# Altium PCB BusAdaptor_final.PcbDoc (part 2 of 2)
Units mm, origin at the board's own origin, x right, y up, seen from the top; angles counter-clockwise.
Board outline 50.93 x 30 mm, 4 copper layers (Top Layer, GND, POWER, Bottom Layer), stack 0.603 mm thick; 145 components, 102 nets, 555 pads, 359 vias.
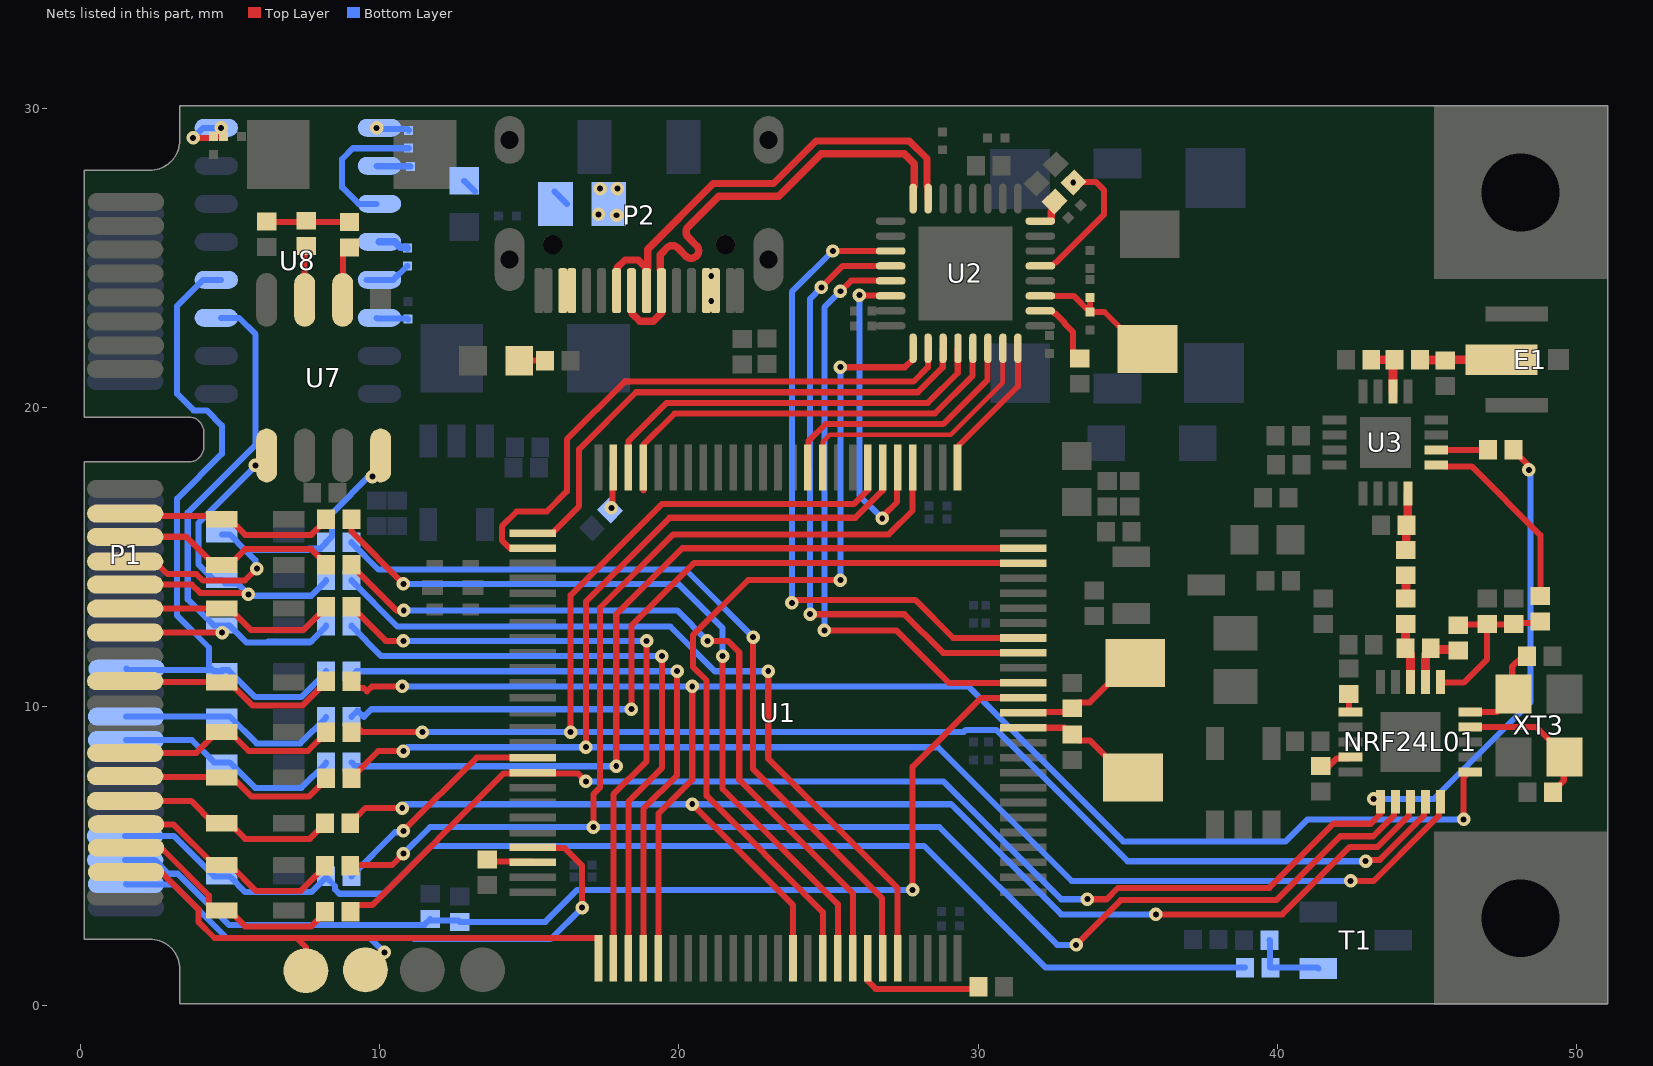
[diagram p4: the nets of this part, all layers, seen from the top]

## Via types
v1: diameter 0.45, hole 0.2, Top Layer to Bottom Layer, tented both sides, 359 vias

## Nets (pads, with @x,y where several pads share a name; then routed paths per layer and width w, separated by ;. In a path a pad name is that pad's centre, name@x,y a point inside that pad or via, vN(x,y) a via of type N, cw(c..) or ccw(c..) an arc to the next point about the centre after c; other vN are vias at no path point) (continued)
NetC13_2: C13.2 U2.26 | length 2.4
  Top Layer w0.203: U2.26@32.079,23.221 32.467,23.221 32.553,23.135 32.583,23.135 32.89,22.828 32.89,22.793 33.178,22.505 33.178,21.832 33.376,21.634 C13.2@33.401,21.634
NetC14_2: C14.2 U2.29 | length 4.8
  Top Layer w0.203: U2.29@32.079,24.721 32.467,24.721 32.588,24.842 32.611,24.842 34.215,26.446 34.215,27.249 33.935,27.53 33.211,27.53 C14.2@33.194,27.512
  other v1: 33.181,27.508
NetC15_2: C15.2 R18.1 U2.27 XT1.1 | length 4.8
  Top Layer w0.203: U2.27@32.079,23.721 33.195,23.721 C15.2@33.734,23.182 ; R18.1@33.736,23.661 R18.1@33.736,23.661 33.735,23.184 C15.2@33.734,23.182 ; XT1.1@35.662,21.946 35.462,21.946 34.225,23.182 C15.2@33.734,23.182
NetC16_2: C16.2 U1.73 | length 1.6
  Top Layer w0.203: C16.2@13.589,4.888 13.664,4.812 15.088,4.812 U1.73@15.113,4.787
NetC17_2: C17.2 U1.49 | length 1.4
  Top Layer w0.203: v1(17.742,16.638) 17.788,16.684 17.788,17.962 U1.49@17.813,17.987
NetC18_1: C18.1 NRF24L01.19 | length 1.1
  Top Layer w0.203: C18.1@41.446,8.001 41.729,8.001 41.993,8.265 42.402,8.265 NRF24L01.19@42.451,8.314
NetC37_2: C37.2 U1.13 XT2.1 | length 4.4
  Top Layer w0.203: U1.13@31.513,9.787 31.538,9.812 33.021,9.812 33.345,10.137 33.736,10.137 35.055,11.455 XT2.1@35.255,11.455
NetC38_2: C38.2 U1.12 XT2.2 | length 4.4
  Top Layer w0.203: U1.12@31.513,9.287 32.896,9.287 33.122,9.061 C38.2@33.147,9.061 33.345,8.863 33.736,8.863 34.979,7.62 XT2.2@35.179,7.62
NetC39_1: C39.1 C43.2 U3.4 | length 1.9
  Top Layer w0.293: C39.1@44.298,15.233 44.311,15.246 44.311,16.04 C43.2@44.324,16.053 44.359,16.088 44.359,17.118 U3.4@44.362,17.121
NetC39_2: C39.2 L4.2 | length 0.8
  Top Layer w0.293: L4.2@44.298,13.601 C39.2@44.298,14.383
NetC41_2: C41.2 L3.1 U3.10 | length 1.9
  Top Layer w0.293: C41.2@43.141,21.59 L3.1@43.917,21.59 43.866,21.538 43.866,20.525 U3.10@43.862,20.521
NetC42_2: C42.2 E1.1 L3.2 | length 2.8
  Top Layer w0.293: L3.2@44.767,21.59 44.783,21.574 45.603,21.574 C42.2@45.619,21.558 45.651,21.59 E1.1@47.498,21.59
NetC44_2: C44.2 C45.2 L6.2 NRF24L01.11 R27.2 | length 5.9
  Top Layer w0.203: NRF24L01.11@45.451,10.814 45.469,10.795 46.228,10.795 47.016,11.583 C45.2@47.016,12.731 ; L6.2@46.05,12.712 46.07,12.731 C45.2@47.016,12.731 ; C45.2@47.016,12.751 C45.2@47.016,12.731 ; R27.2@48.794,12.834 48.753,12.792 47.947,12.792 C44.2@47.905,12.751 47.886,12.731 C45.2@47.016,12.731
NetC50_2: C50.2 NRF24L01.9 XT3.1 | length 4.9
  Top Layer w0.203: NRF24L01.9@46.451,9.314 48.646,9.314 49.594,8.366 XT3.1@49.594,8.316 49.575,8.296 49.575,7.518 49.219,7.162 C50.2@49.219,7.137
NetC51_2: C51.2 NRF24L01.10 XT3.3 | length 3.6
  Top Layer w0.203: NRF24L01.10@46.451,9.814 47.342,9.814 47.894,10.366 XT3.3@47.894,10.416 47.65,10.66 47.93,10.939 47.879,10.939 47.854,10.964 47.854,11.336 48.162,11.645 48.343,11.645 C51.2@48.343,11.67
NetC55_1: C55.1 R30.1 U8.16 | length 2.1
  Top Layer w0.203: v1(3.768,29.002) 4.399,29.002 C55.1@4.445,29.048 R30.1@4.78,29.048
  Bottom Layer w0.203: v1(3.768,29.002) 3.768,29.004 4.101,29.337 v1(4.699,29.337)
NetC56_1: C56.1 U8.2 | length 1.1
  Bottom Layer w0.203: U8.2@9.899,28.067 9.912,28.054 11.016,28.054 C56.1@11.028,28.042
NetC58_2: C58.2 R31.1 R32.1 | length 2.8
  Top Layer w0.203: C58.2@6.223,26.206 6.232,26.197 7.544,26.197 8.982,26.197 R32.1@8.992,26.187
NetC59_1: C59.1 U8.6 | length 1.1
  Bottom Layer w0.203: U8.6@9.899,22.987 9.922,22.964 10.924,22.964 C59.1@10.947,22.941
NetC60_1: C60.1 U8.3 | length 4.7
  Bottom Layer w0.203: U8.3@9.899,26.797 9.299,26.797 8.745,27.351 8.745,28.296 9.105,28.656 C60.1@10.971,28.656
NetC60_2: C60.2 U8.1 | length 1.1
  Bottom Layer w0.203: v1(9.899,29.337) 9.94,29.296 10.93,29.296 C60.2@10.971,29.256
NetC61_1: C61.1 U8.5 | length 1.6
  Bottom Layer w0.203: U8.5@9.565,24.258 U8.5@9.99,24.258 ; U8.5@9.899,24.257 10.46,24.257 C61.1@10.922,24.719
NetC61_2: C61.2 U8.4 | length 1
  Bottom Layer w0.254: U8.4@9.99,25.528 10.509,25.528 10.695,25.342 10.899,25.342 C61.2@10.922,25.319
NetD20_1: D20.1 R29.2 | length 0.9
  Top Layer w0.203: D20.1@14.664,21.555 R29.2@15.533,21.555
NetF1_1: F1.1 L1.2 | length 1.1
  Bottom Layer w0.203: L1.2@12.827,27.567 L1.2@13.19,27.204 ; F1.1@15.848,27.204 F1.1@16.255,26.797
NetF1_2: F1.2 P2.A4 P2.A9 P2.B4 P2.B9 | length 0.6
  Top Layer w0.203: P2.A4@21.219,23.896 P2.A4@21.219,24.496
  other v1: 21.082,23.546 21.082,24.384 17.919,26.416 17.313,26.446 17.37,27.305 17.946,27.305
NetL4_1: L4.1 L5.2 NRF24L01.13 | length 2
  Top Layer w0.293: L5.2@44.279,11.938 44.289,11.948 44.289,12.741 L4.1@44.298,12.751 ; L5.2@44.305,11.887 44.451,11.742 NRF24L01.13@44.451,10.814
NetL5_1: L5.1 L6.1 NRF24L01.12 | length 2.2
  Top Layer w0.293: NRF24L01.12@44.951,10.814 44.951,11.735 45.129,11.913 L5.1@45.129,11.938 45.167,11.9 46.012,11.9 L6.1@46.05,11.862
NetNRF24L01_16: NRF24L01.16 R21.1 | length 0.6
  Top Layer w0.203: R21.1@42.393,10.421 42.402,10.411 42.402,9.862 NRF24L01.16@42.451,9.814
NetR20_2: R20.2 U2.32 | length 0.7
  Top Layer w0.254: U2.32@32.452,26.223 32.452,26.526 32.559,26.633 R20.2@32.559,26.877
NetR23_2: R23.2 R25.1 T1.1 | length 2.5
  Bottom Layer w0.203: R25.1@39.744,2.184 39.757,2.172 39.757,1.283 R23.2@39.77,1.27 41.336,1.27 T1.1@41.371,1.234
NetR24_2: R24.2 U1.94 | length 4.6
  Top Layer w0.203: U1.94@26.313,1.587 26.313,0.826 26.581,0.558 29.94,0.558 R24.2@30.017,0.635
NetR27_1: R27.1 U3.5 | length 6.5
  Top Layer w0.203: U3.5@45.312,18.071 45.562,18.071 45.611,18.023 46.493,18.023 48.794,15.722 R27.1@48.794,13.684
NetR28_2: R28.2 U3.6 | length 1.7
  Top Layer w0.203: U3.6@45.312,18.571 R28.2@47.049,18.571
NetR31_2: R31.2 U7.7 | length 1.8
  Top Layer w0.203: U7.7@7.493,23.589 7.493,25.331 R31.2@7.544,25.381
NetR32_2: R32.2 U7.6 | length 1.9
  Top Layer w0.203: U7.6@8.763,23.589 8.768,23.594 8.768,25.139 8.967,25.337 R32.2@8.992,25.337
NRST: C40.2 P1.48 R26.2 U1.14 | length 36.5
  Top Layer w0.203: v1(27.813,3.872) 27.813,7.988 30.112,10.287 U1.14@31.513,10.287
  Bottom Layer w0.203: P1.48@1.495,4.87 2.476,4.87 2.939,4.406 3.251,4.406 4.961,2.696 11.491,2.696 R26.2@11.684,2.889 11.728,2.845 12.638,2.845 C40.2@12.682,2.801 15.533,2.801 16.593,3.861 v1@27.813,3.861
P0: D2.2 P1.19 R1.1 | length 7.2
  Top Layer w0.203: P1.19@1.495,16.445 1.571,16.369 4.612,16.369 D2.2@4.724,16.256 4.984,16.256 5.508,15.732 7.712,15.732 8.211,16.231 R1.1@8.211,16.256
P1: D3.2 P1.21 R2.1 | length 7.6
  Top Layer w0.203: P1.21@1.495,15.67 3.533,15.67 4.422,14.781 4.676,14.781 D3.2@4.724,14.732 4.984,14.732 5.508,15.256 7.712,15.256 8.211,14.757 R2.1@8.211,14.732
P2: D4.2 P1.23 R3.1 U7.4 | length 12.4
  Top Layer w0.203: P1.23@1.495,14.845 2.486,14.845 2.906,14.425 3.872,14.425 4.089,14.208 5.496,14.208 v1(5.893,14.605)
  Bottom Layer w0.203: D4.2@4.724,15.748 4.984,15.748 5.508,15.224 ; v1(5.893,14.605) 5.846,14.652 5.846,14.887 5.508,15.224 ; v1(9.754,17.678) 9.69,17.742 8.409,16.461 8.409,15.692 R3.1@8.211,15.494 8.211,15.469 8.013,15.271 7.641,15.271 7.595,15.224 5.508,15.224
P3: D5.2 P1.25 R4.1 U7.1 | length 13
  Top Layer w0.203: P1.25@1.495,14.07 3.725,14.07 4.001,13.794 5.36,13.794
  Bottom Layer w0.203: v1@5.613,13.7 7.712,13.7 8.211,14.199 R4.1@8.211,14.224 ; v1(5.613,13.741) 5.239,14.116 4.832,14.116 D5.2@4.724,14.224 4.464,14.224 3.94,14.748 3.94,16.123 5.842,18.025 v1(5.842,18.059)
P4: D6.2 P1.27 R5.1 | length 7.4
  Top Layer w0.203: P1.27@1.495,13.27 D6.2@4.724,13.27 4.984,13.27 5.347,12.907 5.44,12.814 5.706,12.548 7.449,12.548 8.211,13.31 R5.1@8.211,13.335
P5: D7.2 P1.29 R6.1 U8.11 | length 21.3
  Top Layer w0.203: P1.29@1.495,12.47 v1(4.731,12.47)
  Bottom Layer w0.203: U8.11@4.699,22.987 5.299,22.987 5.853,22.433 5.853,18.748 3.585,16.48 3.585,13.58 4.464,12.7 D7.2@4.724,12.7 4.984,12.7 5.543,12.141 6.27,12.141 7.677,12.141 7.712,12.176 ; 6.27,12.176 7.712,12.176 ; R6.1@8.211,12.7 8.211,12.675 7.712,12.176
P6: D8.2 P1.32 R8.1 U8.12 | length 23.4
  Bottom Layer w0.203: P1.32@1.537,11.26 1.579,11.218 D8.2@4.423,11.218 ; U8.12@4.699,24.257 4.099,24.257 3.229,23.387 3.229,20.447 3.783,19.893 4.215,19.893 4.724,19.383 4.724,18.44 3.229,16.945 3.229,13.036 4.296,11.969 4.296,11.344 D8.2@4.423,11.218 ; D8.2@4.724,11.176 4.464,11.176 D8.2@4.423,11.218 ; D8.2@4.724,11.218 4.943,11.218 5.848,10.312 7.372,10.312 8.211,11.151 R8.1@8.211,11.176
P7: D9.2 P1.33 R7.1 | length 7.4
  Top Layer w0.203: P1.33@1.495,10.845 1.519,10.82 4.7,10.82 D9.2@4.724,10.795 4.984,10.795 5.746,10.033 7.424,10.033 8.211,10.82 R7.1@8.211,10.845
P8: D17.2 P1.36 R11.1 | length 7.4
  Bottom Layer w0.203: P1.36@1.524,9.663 D17.2@4.724,9.663 4.984,9.663 5.884,8.763 7.347,8.763 8.211,9.627 R11.1@8.211,9.652
P9: D16.2 P1.38 R10.1 | length 7.7
  Bottom Layer w0.203: P1.38@1.524,8.877 3.722,8.877 4.47,8.128 D16.2@4.724,8.128 4.984,8.128 5.836,7.277 7.385,7.277 8.211,8.103 R10.1@8.211,8.128
P10: D15.2 P1.39 R12.1 | length 7.5
  Top Layer w0.203: P1.39@1.495,8.445 3.873,8.445 4.572,9.144 D15.2@4.724,9.144 4.984,9.144 5.619,8.509 7.601,8.509 8.211,9.119 R12.1@8.211,9.144
P11: D14.2 P1.41 R13.1 | length 7.2
  Top Layer w0.203: P1.41@1.495,7.67 1.519,7.645 4.7,7.645 D14.2@4.724,7.62 ; D14.2@4.826,7.62 5.086,7.62 5.721,6.985 7.625,6.985 8.211,7.571 R13.1@8.211,7.596
P12: D13.2 P1.43 R14.1 | length 7.4
  Top Layer w0.203: P1.43@1.495,6.845 3.696,6.845 4.445,6.096 D13.2@4.724,6.096 4.984,6.096 5.508,5.572 7.668,5.572 8.167,6.071 R14.1@8.167,6.096
P13: D12.2 P1.45 R15.1 | length 7.9
  Top Layer w0.203: P1.45@1.524,6.063 1.527,6.06 3.104,6.06 4.464,4.699 D12.2@4.724,4.699 5.003,4.699 5.876,3.826 7.347,3.826 8.167,4.646 R15.1@8.167,4.671
P14: D11.2 P1.47 R17.1 | length 8.1
  Top Layer w0.203: P1.47@1.524,5.277 2.458,5.277 2.534,5.201 2.774,5.201 4.296,3.679 4.296,3.343 4.464,3.175 D11.2@4.724,3.175 4.984,3.175 5.508,2.651 7.714,2.651 8.172,3.109 R17.1@8.172,3.134
P15: D10.2 P1.46 R19.1 R23.1 | length 41.1
  Bottom Layer w0.203: P1.46@1.486,5.672 3.111,5.672 4.464,4.318 D10.2@4.724,4.318 4.984,4.318 5.508,3.794 7.712,3.794 R19.1@8.211,4.293 ; R19.1@8.211,4.318 R19.1@8.211,4.293 ; R23.1@38.92,1.27 32.258,1.27 28.194,5.334 11.726,5.334 10.131,3.739 8.656,3.739 8.507,3.888 8.507,3.997 R19.1@8.211,4.293
PA0: R11.2 U1.23 | length 26.4
  Top Layer w0.203: v1(18.415,9.906) 18.415,12.7 20.502,14.787 U1.23@31.513,14.787
  Bottom Layer w0.203: R11.2@9.061,9.652 9.061,9.664 9.259,9.862 9.47,9.652 9.724,9.906 v1(18.415,9.906)
PA1: R10.2 U1.24 | length 28.5
  Top Layer w0.203: v1(17.907,8.001) 17.907,13.081 20.113,15.287 U1.24@31.513,15.287
  Bottom Layer w0.203: R10.2@9.061,8.128 9.188,8.001 v1(17.907,8.001)
PA4: NRF24L01.2 R15.2 U1.29 | length 60
  Top Layer w0.203: R15.2@9.017,4.671 9.017,4.696 10.411,4.696 v1(10.795,5.08) ; v1(17.145,5.969) 17.145,7.07 17.37,7.295 17.37,13.306 19.812,15.748 27.014,15.748 27.813,16.547 U1.29@27.813,17.987 ; v1(33.274,2.032) 34.769,3.527 39.97,3.527 42.104,5.661 43.207,5.661 43.902,6.356 43.902,6.765 NRF24L01.2@43.951,6.814
  Bottom Layer w0.203: v1(10.795,5.08) 11.684,5.969 v1(17.145,5.969) 28.702,5.969 32.639,2.032 v1(33.274,2.032)
PA6: NRF24L01.5 R13.2 U1.31 | length 57.1
  Top Layer w0.203: R13.2@9.061,7.596 9.061,7.621 9.949,8.509 v1(10.795,8.509) ; v1(16.891,8.636) 16.891,13.505 19.693,16.307 25.897,16.307 26.813,17.223 U1.31@26.813,17.987 ; v1(42.451,4.166) 43.22,4.166 44.969,5.914 44.969,5.916 45.402,6.349 45.402,6.765 NRF24L01.5@45.451,6.814
  Bottom Layer w0.203: v1(10.795,8.509) 10.922,8.636 v1(16.891,8.636) 28.66,8.636 33.13,4.166 v1(42.451,4.166)
PA7: NRF24L01.4 R12.2 U1.32 | length 55.6
  Top Layer w0.203: R12.2@9.061,9.144 9.271,9.287 9.414,9.144 v1(11.43,9.144) ; v1(16.383,9.144) 16.383,13.716 19.431,16.764 25.851,16.764 26.313,17.226 U1.32@26.313,17.339 ; U1.32@26.311,17.337 U1.32@26.313,17.339 ; U1.32@26.313,17.987 U1.32@26.313,17.339 ; v1(42.951,4.826) 42.999,4.873 43.425,4.873 44.613,6.062 44.613,6.064 44.902,6.352 44.902,6.765 NRF24L01.4@44.951,6.814
  Bottom Layer w0.203: v1(11.43,9.144) v1(16.383,9.144) 29.521,9.144 29.59,9.213 30.608,9.213 34.995,4.826 v1(42.951,4.826)
PA8: NRF24L01.1 R17.2 R28.1 U1.67 | length 54.9
  Top Layer w0.203: R17.2@9.022,3.134 9.022,3.159 9.22,3.357 9.749,3.357 14.154,7.762 15.088,7.762 U1.67@15.113,7.787 15.138,7.762 16.622,7.762 v1(16.891,7.493) ; v1(33.655,3.556) 34.295,3.556 34.676,3.937 39.734,3.937 41.875,6.078 43.121,6.078 43.451,6.407 NRF24L01.1@43.451,6.814 ; R28.1@47.899,18.571 47.899,18.546 48.365,18.081 48.365,17.954 v1(48.412,17.907)
  Bottom Layer w0.203: v1(16.891,7.493) 28.837,7.493 32.774,3.556 v1(33.655,3.556) ; v1(43.22,6.909) 45.237,6.909 48.463,10.135 v1@48.463,17.907
PA15: R5.2 U1.77 | length 21.4
  Top Layer w0.203: R5.2@9.061,13.335 10.204,12.192 v1(10.795,12.192) ; U1.77@17.813,1.587 17.813,7.064 18.923,8.174 v1(18.923,12.192)
  Bottom Layer w0.203: v1(10.795,12.192) v1(18.923,12.192)
PB3: NRF24L01.3 R14.2 U1.89 | length 45.2
  Top Layer w0.203: v1(10.755,6.604) 9.525,6.604 R14.2@9.24,6.319 ; v1(20.447,6.731) 23.813,3.365 U1.89@23.813,2.235 ; v1(35.941,3.048) 40.169,3.048 42.426,5.305 43.354,5.305 44.258,6.209 44.258,6.211 44.402,6.355 44.402,6.765 NRF24L01.3@44.451,6.814 ; R14.2@9.24,6.319 9.215,6.319 9.017,6.121 R14.2@9.017,6.096 R14.2@9.24,6.319
  Bottom Layer w0.203: v1(10.755,6.604) 10.882,6.731 v1(20.447,6.731) 29.096,6.731 32.779,3.048 v1(35.941,3.048)
PB6: R1.2 U1.92 | length 26.8
  Top Layer w0.203: R1.2@9.061,16.256 9.061,15.831 v1(10.795,14.097) ; v1(21.463,11.684) 21.463,7.239 25.313,3.389 U1.92@25.313,1.587
  Bottom Layer w0.203: v1(10.795,14.097) 19.981,14.097 21.463,12.615 v1(21.463,11.684)
PB7: R2.2 U1.93 | length 26
  Top Layer w0.203: R2.2@9.061,14.732 9.061,14.707 10.56,13.208 v1(10.805,13.208) ; v1(20.955,12.192) 21.632,12.192 22.019,11.805 22.019,7.542 25.813,3.748 U1.93@25.813,1.587
  Bottom Layer w0.203: v1(10.805,13.208) 19.939,13.208 v1(20.955,12.192)
PB8: R3.2 U1.95 | length 27.3
  Top Layer w0.203: v1(22.479,12.319) 22.479,7.906 26.788,3.598 26.788,1.612 U1.95@26.813,1.587
  Bottom Layer w0.203: R3.2@9.061,15.494 9.061,15.469 9.954,14.576 20.222,14.576 v1(22.479,12.319)
PB9: R4.2 U1.96 | length 26.6
  Top Layer w0.203: v1(22.987,11.176) 22.987,8.255 27.313,3.929 U1.96@27.313,1.587
  Bottom Layer w0.203: R4.2@9.061,14.224 9.061,14.199 10.589,12.671 19.71,12.671 21.205,11.176 v1(22.987,11.176)
PC9: R19.2 U1.66 | length 7.7
  Top Layer w0.203: v1(10.795,5.842) 13.24,8.287 U1.66@15.113,8.287
  Bottom Layer w0.203: R19.2@9.061,4.318 9.061,4.343 10.513,5.795 10.748,5.795 v1(10.795,5.842)
PC10: R6.2 U1.78 | length 21.4
  Top Layer w0.203: U1.78@18.313,1.587 18.32,1.594 18.32,6.827 19.431,7.938 v1(19.431,11.684)
  Bottom Layer w0.203: R6.2@9.061,12.7 9.061,12.675 10.052,11.684 v1(19.431,11.684)
PC11: R8.2 U1.79 | length 21
  Top Layer w0.203: U1.79@18.813,1.587 18.813,6.572 19.939,7.698 v1(19.939,11.176)
  Bottom Layer w0.203: R8.2@9.061,11.009 9.228,11.176 v1(19.939,11.176)
PC12: NRF24L01.6 R7.2 U1.80 | length 51.1
  Top Layer w0.203: R7.2@9.061,10.845 9.061,10.82 9.259,10.621 9.453,10.621 9.576,10.498 9.746,10.668 v1(10.755,10.668) ; U1.80@19.313,1.587 19.313,6.415 20.447,7.549 v1(20.447,10.668) ; v1(46.228,6.223) 46.228,7.638 46.403,7.814 NRF24L01.6@46.451,7.814
  Bottom Layer w0.203: v1(10.755,10.668) v1(20.447,10.668) 29.667,10.668 34.848,5.487 40.276,5.487 41.012,6.223 v1(46.228,6.223)
SWCLK: H6.1 P1.49 U1.76 | length 18.8
  Top Layer w0.203: P1.49@1.524,4.463 2.699,4.463 3.94,3.222 3.94,2.8 4.48,2.26 7.22,2.26 ; H6.1@7.537,1.168 7.537,1.944 7.22,2.26 ; U1.76@17.313,1.587 17.313,2.235 17.288,2.26 7.22,2.26
SWDIO: H3.1 P1.50 U1.72 | length 20.4
  Top Layer w0.203: U1.72@15.113,5.287 15.138,5.262 16.184,5.262 16.764,4.682 v1(16.764,3.277)
  Bottom Layer w0.203: P1.50@1.524,4.063 1.536,4.051 3.104,4.051 4.897,2.257 9.681,2.257 ; v1(10.16,1.778) 9.681,2.257 ; v1(16.764,3.277) 15.709,2.221 11.156,2.221 11.12,2.257 9.681,2.257
USB_CLK: U1.30 U2.14 | length 10.8
  Top Layer w0.203: v1(26.035,23.749) 26.054,23.73 27.07,23.73 U2.14@27.079,23.721 ; v1(26.797,16.286) 26.797,16.334 27.294,16.832 27.294,17.969 U1.30@27.313,17.987 U1.30@27.338,18.012
  Bottom Layer w0.203: v1(26.035,23.749) 26.035,17.048 v1(26.797,16.286)
USB_DATA0: U1.26 U2.24 | length 4.8
  Top Layer w0.203: U1.26@29.313,17.987 29.313,18.677 31.329,20.693 U2.24@31.329,21.971
USB_DATA1: U1.35 U2.23 | length 8.8
  Top Layer w0.152: U1.35@24.813,17.987 24.813,18.844 25.048,19.079 29.082,19.079 30.82,20.817 30.82,21.962 U2.23@30.829,21.971
USB_DATA2: U1.36 U2.22 | length 8.8
  Top Layer w0.203: U1.36@24.313,17.987 24.338,18.012 24.338,18.872 24.901,19.435 28.833,19.435 30.32,20.922 30.32,21.962 U2.22@30.329,21.971
USB_DATA3: U1.47 U2.21 | length 14.4
  Top Layer w0.203: U1.47@18.813,17.226 U1.47@18.813,17.987 18.813,18.748 19.855,19.79 28.553,19.79 29.82,21.057 29.82,21.962 U2.21@29.829,21.971
USB_DATA4: U1.48 U2.20 | length 13.7
  Top Layer w0.203: U1.48@18.313,17.987 18.313,18.866 19.593,20.146 28.323,20.146 29.32,21.143 29.32,21.962 U2.20@29.329,21.971
USB_DATA5: U1.51 U2.19 | length 17.8
  Top Layer w0.203: U1.51@15.113,15.787 15.761,15.787 16.666,16.692 16.666,18.601 18.566,20.501 27.989,20.501 28.82,21.332 28.82,21.962 U2.19@28.829,21.971
USB_DATA6: U1.52 U2.18 | length 19.7
  Top Layer w0.203: U1.52@15.113,15.287 14.352,15.287 14.084,15.555 14.084,16.019 14.579,16.514 15.586,16.514 16.258,17.186 16.258,18.925 18.19,20.857 27.842,20.857 28.32,21.335 28.32,21.962 U2.18@28.329,21.971
USB_DATA7: U1.91 U2.17 | length 28.3
  Top Layer w0.203: U1.91@24.813,1.587 24.813,3.127 20.926,7.014 20.926,10.866 20.476,11.316 20.476,12.39 22.31,14.224 v1(25.4,14.224) ; v1(25.4,21.336) 27.556,21.336 27.829,21.609 U2.17@27.829,21.971
  Bottom Layer w0.203: v1(25.4,14.224) v1(25.4,21.336)
USB_DIR: U1.17 U2.12 | length 21.4
  Top Layer w0.203: v1(24.384,13.081) 27.535,13.081 28.829,11.787 U1.17@31.513,11.787 ; v1(24.765,24.003) 25.483,24.721 U2.12@27.079,24.721
  Bottom Layer w0.203: v1(24.384,13.081) 24.384,23.622 v1(24.765,24.003)
USB_N: P2.A7 P2.B7 U2.8 | length 15.7
  Top Layer w0.247: P2.A7@18.446,23.896 18.446,23.123 18.699,22.87 19.139,22.87 P2.B7@19.431,23.162 ; P2.B7@19.392,23.896 19.392,24.576 19.381,24.587 19.381,25.105 19.427,25.15 19.603,25.326 cw(c19.78,25.149) 19.957,25.326 20.232,25.052 ccw(c20.409,25.229) 20.586,25.052 ccw(c20.409,25.229) 20.586,25.406 20.312,25.681 cw(c20.489,25.858) 20.312,26.035 21.328,27.051 23.338,27.051 24.76,28.473 27.53,28.473 27.867,28.137 27.867,27.384 27.829,27.347 U2.8@27.829,26.971
USB_NXT: U1.18 U2.11 | length 22.6
  Top Layer w0.203: v1(23.774,13.462) 23.841,13.462 23.939,13.56 27.894,13.56 29.167,12.287 U1.18@31.513,12.287 ; v1(25.146,25.221) U2.11@27.079,25.221
  Bottom Layer w0.203: v1(23.774,13.462) 23.774,23.853 25.142,25.221 v1(25.146,25.221)
USB_P: P2.A6 P2.B6 U2.7 | length 15.7
  Top Layer w0.247: P2.B6@17.946,23.923 17.946,24.669 18.199,24.922 18.639,24.922 18.892,24.669 ; P2.A6@18.946,23.896 18.946,24.576 18.957,24.587 18.957,25.281 21.152,27.476 23.162,27.476 24.584,28.898 27.706,28.898 28.291,28.313 28.291,27.384 28.329,27.347 U2.7@28.329,26.971
USB_STP: U1.15 U2.13 | length 20.8
  Top Layer w0.203: v1(24.863,12.544) 27.267,12.544 29.024,10.787 U1.15@31.513,10.787 ; v1(25.4,23.876) 25.754,24.23 27.07,24.23 U2.13@27.079,24.221
  Bottom Layer w0.203: v1(24.863,12.544) 24.863,23.339 v1(25.4,23.876)
pads on no net: Buzzer1. H1.11 H4.11 P1.7 P1.9 P1.11 P1.12 P1.13 P1.14 P1.15 P1.16 P1.18 P1.20 P1.22 P1.24 P1.26 P1.28 P1.30 P1.31 P1.34 P1.35 P1.37 P1.40 P1.42 P1.44 P1.52 P2. P2.A5 P2.A8 P2.B5 P2.B8 U1.1 U1.2 U1.3 U1.4 U1.5 U1.7 U1.8 U1.9 U1.16 U1.25 U1.33 U1.34 U1.37 U1.38 U1.39 U1.40 U1.41 U1.42 U1.43 U1.44 U1.45 U1.46 U1.56 U1.57 U1.58 U1.59 U1.60 U1.61 U1.62 U1.63 U1.64 U1.65 U1.68 U1.69 U1.70 U1.71 U1.81 U1.82 U1.83 U1.84 U1.85 U1.86 U1.87 U1.88 U1.90 U1.97 U1.98 U2.3 U2.5 U2.10 U3.13 U5.4 U7.5 U8.7 U8.8 U8.9 U8.10 U9.4

## Polygon pours and split planes (outlines as drawn)
GND on Bottom Layer "Bottom Layer-GND" (solid, remove dead copper, pour order 118): 3.32,29.856 3.32,0.254 36.322,0.254 36.195,0.381 36.195,18.104 38.157,18.104 38.217,18.044 38.217,29.856
3.3V on Bottom Layer "Bottom Layer-3.3V 1" (solid, remove dead copper, pour order 102): 36.561,2.046
3.3V on Bottom Layer "Bottom Layer-3.3V 2" (solid, remove dead copper, pour order 98): 35.286,2.286 35.286,1.524 37.592,1.524 37.592,2.569 36.957,2.569 36.957,2.286
3.3V on Bottom Layer "Bottom Layer-3.3V 3" (solid, remove dead copper, pour order 82): 36.747,18.506 36.82,18.433 38.398,18.433 38.398,22.062 36.802,22.062 36.747,22.116
5V on Bottom Layer "Bottom Layer-5V" (solid, remove dead copper, pour order 62): 34.392,14.376 34.417,14.402 34.417,15.306 35.687,15.306 35.814,15.179 35.814,14.097 35.719,14.097 35.821,10.241 38.894,7.168 38.894,6.084 38.398,5.588 37.186,5.588 33.491,9.283 33.491,12.839 29.312,17.018 29.312,28.423 29.413,28.524 29.413,28.956 29.896,29.439 29.896,29.464 30.531,29.464 30.556,29.439 30.556,28.575 30.256,28.275 30.256,19.304 31.242,19.304 31.496,19.05 31.496,17.272
5V on Bottom Layer "Bottom Layer-5V 1" (solid, remove dead copper, pour order 52): 11.913,26.518 11.557,26.162 11.557,25.121 11.811,24.867 13.411,24.867 13.564,25.019 13.564,26.365 13.411,26.518
NetF1_1 on Bottom Layer "Bottom Layer-NetF1_1" (solid, remove dead copper, pour order 48): 15.621,26.21 15.746,26.086 16.51,26.086 16.51,27.546 16.135,27.921 13.616,27.921 13.597,27.94 12.536,27.94 12.409,27.813 12.409,27.204 12.562,27.051 15.201,27.051 15.201,26.074 15.24,26.035 15.779,26.035
5V on Bottom Layer "Bottom Layer-5V 2" (solid, remove dead copper, pour order 30): 11.296,19.431 11.042,19.177 11.042,18.175 11.028,18.161 11.028,17.801 11.684,17.145 14.199,17.145 14.732,17.678 14.732,19.05 14.344,19.438 14.344,19.487 13.222,19.487 13.165,19.43 13.165,18.245 12.954,18.034 12.217,18.034 11.938,18.313 11.938,19.431
3.3V on Bottom Layer "Bottom Layer-3.3V" (solid, remove dead copper, pour order 6): 9.652,16.383 9.555,16.286 9.525,16.286 9.525,15.692 9.663,15.555 10.821,15.555 11.009,15.367 11.13,15.246 12.143,15.246 12.319,15.422 12.319,16.764 12.192,16.891 11.201,16.891 11.12,16.81 11.12,16.461 11.042,16.383 9.652,16.383 9.555,16.286 9.525,16.286
no net on Top Layer "Top Layer-No Net" (solid, remove dead copper, pour order 114): -1.016,31.242
GND on Top Layer "Top Layer-No Net 8" (solid, remove dead copper, pour order 108): 45.846,19.561 45.717,19.433 45.717,14.224 50.922,14.224 50.926,14.229 50.926,4.038 38.634,4.038 36.957,5.715 36.957,16.83 37.069,16.942 38.763,16.942 38.763,19.53
5V on Top Layer "Top Layer-5V 1" (solid, remove dead copper, pour order 88): 34.925,14.695 34.798,14.822 34.798,16.147 36.063,16.147 36.122,16.088 36.122,14.658 35.064,14.658 35.003,14.719
5V on Top Layer "Top Layer-5V" (solid, remove dead copper, pour order 64): 36.449,5.461 38.227,5.461 38.227,7.62 37.084,7.62 37.084,6.788 36.703,6.407 36.449,6.407
NetF1_2 on Top Layer "Top Layer-NetF1_2" (solid, remove dead copper, pour order 44): 15.98,24.743 16.245,25.135 16.637,25.8 16.919,26.228 16.919,27.623 18.2,27.623 18.161,25.984 17.884,25.984 17.286,25.386 16.493,24.521 16.511,23.16 18.2,22.276 19.799,22.276 20.595,22.882 20.791,23.412 20.791,24.51 20.897,24.616 21.292,24.616 21.291,22.434 20.127,21.27 17.592,21.27 15.98,22.882
3.3V on Top Layer "Top Layer-3.3V" (solid, remove dead copper, pour order 16): 11.43,14.478 10.947,14.961 10.49,14.961 9.703,15.748 9.703,15.986 9.746,16.029 9.746,16.147 10.008,16.408 11.125,16.408 11.328,16.205 12.344,16.205 12.344,15.392 12.192,15.24 12.192,12.907 11.558,12.907 11.43,13.035
GND on GND (split plane): 50.541,11.559 47.117,11.559 47.093,11.555 47.069,11.55 47.068,11.55 47.067,11.55 47.047,11.536 47.027,11.523 47.026,11.522 47.025,11.522 47.012,11.501 46.998,11.481 46.998,11.48 46.997,11.48 46.993,11.456 46.988,11.432 46.938,7.495 46.938,7.494 46.943,7.47 46.947,7.445 46.947,7.444 46.961,7.424 46.975,7.403 46.975,7.402 46.996,7.388 47.016,7.374 47.017,7.374 47.041,7.369 47.066,7.364 49.783,7.344 49.833,7.353 49.875,7.381 49.903,7.423 49.914,7.472 49.904,7.522 49.876,7.564 49.834,7.592 49.785,7.603 47.199,7.622 47.245,11.301 50.541,11.301 50.541,0.577 3.83,0.577 3.83,1.221 3.83,1.223 3.821,1.39 3.792,1.557 3.745,1.72 3.68,1.876 3.599,2.024 3.501,2.163 3.388,2.289 3.261,2.402 3.123,2.5 2.975,2.582 2.818,2.647 2.656,2.693 2.489,2.722 2.322,2.731 2.32,2.731 0.63,2.731 0.63,17.66 3.62,17.66 3.629,17.661 3.751,17.669 3.881,17.695 4.006,17.738 4.125,17.796 4.235,17.869 4.334,17.957 4.421,18.056 4.494,18.166 4.553,18.284 4.595,18.409 4.621,18.539 4.629,18.662 4.63,18.671 4.63,19.171 4.629,19.18 4.621,19.303 4.595,19.432 4.553,19.557 4.494,19.676 4.421,19.786 4.334,19.885 4.235,19.972 4.125,20.046 4.006,20.104 3.881,20.147 3.751,20.172 3.629,20.18 3.62,20.181 0.63,20.181 0.63,27.41 2.32,27.41 2.322,27.411 2.489,27.42 2.656,27.448 2.818,27.495 2.975,27.56 3.123,27.642 3.261,27.74 3.388,27.853 3.501,27.979 3.599,28.117 3.68,28.266 3.745,28.422 3.792,28.585 3.821,28.752 3.83,28.919 3.83,28.921 3.83,29.56 50.541,29.56
3.3VPA on POWER (split plane): 41.913,12.448 41.099,12.448 41.099,13.403 41.092,13.478 41.07,13.55 41.035,13.616 40.987,13.674 40.929,13.722 40.863,13.757 40.791,13.779 40.717,13.786 40.256,13.786 40.256,19.322 41.87,19.322
3.3VRF on POWER (split plane): 37.965,12.683 37.969,12.684 37.973,12.683 40.257,12.683 40.257,10.947 40.258,10.941 40.257,10.934 40.261,10.904 40.265,10.873 40.266,10.866 40.267,10.86 40.277,10.831 40.286,10.801 40.289,10.795 40.292,10.789 40.307,10.762 40.322,10.735 40.326,10.73 40.329,10.724 40.35,10.701 40.369,10.677 40.374,10.672 40.379,10.668 41.781,9.359 41.781,8.765 40.767,8.765 40.692,8.757 40.62,8.736 40.554,8.7 40.496,8.653 40.449,8.595 40.413,8.529 40.392,8.457 40.384,8.384 37.571,8.384 37.592,12.691
5V on POWER (split plane): 11.906,27.095 13.51,26.31 13.51,21.133 13.52,21.083 13.548,21.041 14.319,20.271 14.361,20.243 14.41,20.233 31.24,20.233 31.24,19.253 31.24,17.526 31.241,17.521 31.24,17.516 31.279,17.02 29.593,17.02 29.593,17.724 29.584,17.774 29.556,17.816 29.514,17.844 29.464,17.854 15.159,17.854 15.109,17.844 15.067,17.816 14.729,17.478 11.635,17.485 10.838,18.274 10.683,18.429 10.683,26.152 10.673,26.202 10.645,26.244 10.603,26.272 10.571,26.278 10.565,26.281 10.565,26.282 10.541,26.287 10.516,26.291 8.144,26.298 3.399,26.311 1.146,26.317 1.138,26.421 1.138,26.903 2.32,26.903 2.32,26.902 2.517,26.912 2.713,26.941 2.906,26.989 3.092,27.056 3.108,27.064 10.743,27.125
3.3V on POWER (split plane): 272 vertices, not listed, extent 1.138,1.085 50.033,29.053

## Other copper
Top Layer:
  pour cut-out: 2.99,2.527 3.526,2.89 3.526,0.127 2.988,0.127
  pour cut-out: 3.003,28.171 3.429,28.171 3.429,29.986 3.433,29.99 2.988,29.99
  pour cut-out: 3.048,19.66 3.073,19.685 3.979,19.685 4.131,19.533 4.131,18.45 3.937,18.256 3.937,18.237 3.801,18.237 3.725,18.161 2.988,18.161 2.988,19.657 2.991,19.66
  pour cut-out: 42.291,20.193 49.053,20.193 49.053,23.135 42.291,23.134
  pour cut-out: 20.574,27.94 22.116,27.94 22.479,28.303 22.479,29.972 27.91,29.972 28.553,29.329 28.553,26.543 25.163,26.543 24.341,25.721 21.656,25.721 20.113,24.178 20.113,22.941 19.677,22.505 18.026,22.505 17.742,22.789 17.742,25.146 17.78,25.146
  pour cut-out: 41.686,22.352
  pour cut-out: 45.592,13.208 46.403,13.208 46.403,17.018 45.59,17.018 45.59,18.571 45.312,18.571 45.312,18.39 44.148,17.226 43.299,17.226 43.299,15.565 42.577,15.565 42.577,12.855 42.596,12.837 43.13,12.837 43.13,10.866 43.201,10.795 45.593,10.795
Bottom Layer:
  pour cut-out: 20.582,27.943 22.125,27.943 22.487,28.306 22.487,29.975 27.919,29.975 28.561,29.332 28.561,26.546 25.171,26.546 24.349,25.724 21.664,25.724 20.121,24.181 20.121,22.944 19.685,22.508 18.034,22.508 17.75,22.793 17.75,25.149 17.788,25.149
GND (plane layer: these items are gaps in the copper):
  lines w0.254: 32.512,10.795 32.512,6.909 36.449,6.858 36.449,12.319 32.512,12.319 32.512,11.684 ; 33.274,25.096 33.274,24.384 33.274,21.292 36.957,21.292 36.957,26.423 33.287,26.423 33.287,25.831 ; 49.784,7.473 47.067,7.493 47.117,11.43 50.546,11.43
POWER (plane layer: these items are gaps in the copper):
  region: 21.717,30.124 21.717,25.679 28.448,25.679 28.448,30.124
  region: 21.971,29.337 17.526,29.337 17.526,22.86 21.971,22.86
  region: 42.291,20.023 42.291,23.368 39.798,23.368 39.798,20.023
  region: 50.292,10.795 50.292,23.368 42.037,23.368 42.037,10.795
  region: 49.022,20.233 49.022,23.114 42.291,23.114 42.291,20.233
  region: 42.164,22.86
  region: 46.355,11.557
  lines w0.254: 10.516,25.171 10.516,26.162 8.143,26.169 3.398,26.182 1.026,26.188 0.95,27.176 10.744,27.254 11.938,27.224 13.64,26.391 13.64,21.133 14.41,20.362 31.369,20.362 31.369,20.284 31.369,19.253 31.369,17.526 31.419,16.891 29.464,16.891 29.464,17.724 15.159,17.724 14.783,17.348 11.581,17.356 10.747,18.182 10.554,18.376 10.554,26.152
  lines w0.762: 37.186,7.899 37.211,13.081 37.973,13.066 40.64,13.066 40.64,10.947 42.164,9.525 42.164,8.382 40.767,8.382 40.767,8.001 37.465,8.001 ; 39.873,13.403 39.873,19.705 42.25,19.705 42.298,12.065 40.717,12.065 40.717,13.403 39.873,13.403

## Silkscreen, mask and mechanical layers (free items; w line width, h text height)
Bottom Overlay:
  text "ouyjy" at 16.656,11.399 h1.52
Top Solder:
  lines w0.508: 42.164,20.32 39.37,20.32 39.37,23.622 50.165,23.622 50.165,19.304 45.847,19.304
Mechanical 13:
  lines w0.254: 3.62,19.671 cw(c3.62,19.171) 4.12,19.171 4.12,18.671 ; 3.62,19.671 ccw(c3.62,19.671) 3.62,19.671 ; 3.62,19.671 0.12,19.671 0.12,27.921 2.32,27.921 ccw(c2.32,28.921) 3.32,28.921 3.32,30.071 51.052,30.071 51.052,0.067 3.32,0.067 3.32,1.221 ccw(c2.32,1.221) 2.32,2.221 0.12,2.221 0.12,18.171 3.62,18.171 ccw(c3.62,18.671) 4.12,18.671 ; 4.12,18.671 ccw(c4.12,18.671) 4.12,18.671